# Altium PCB SG1.PcbDoc (part 1 of 3) (continued)
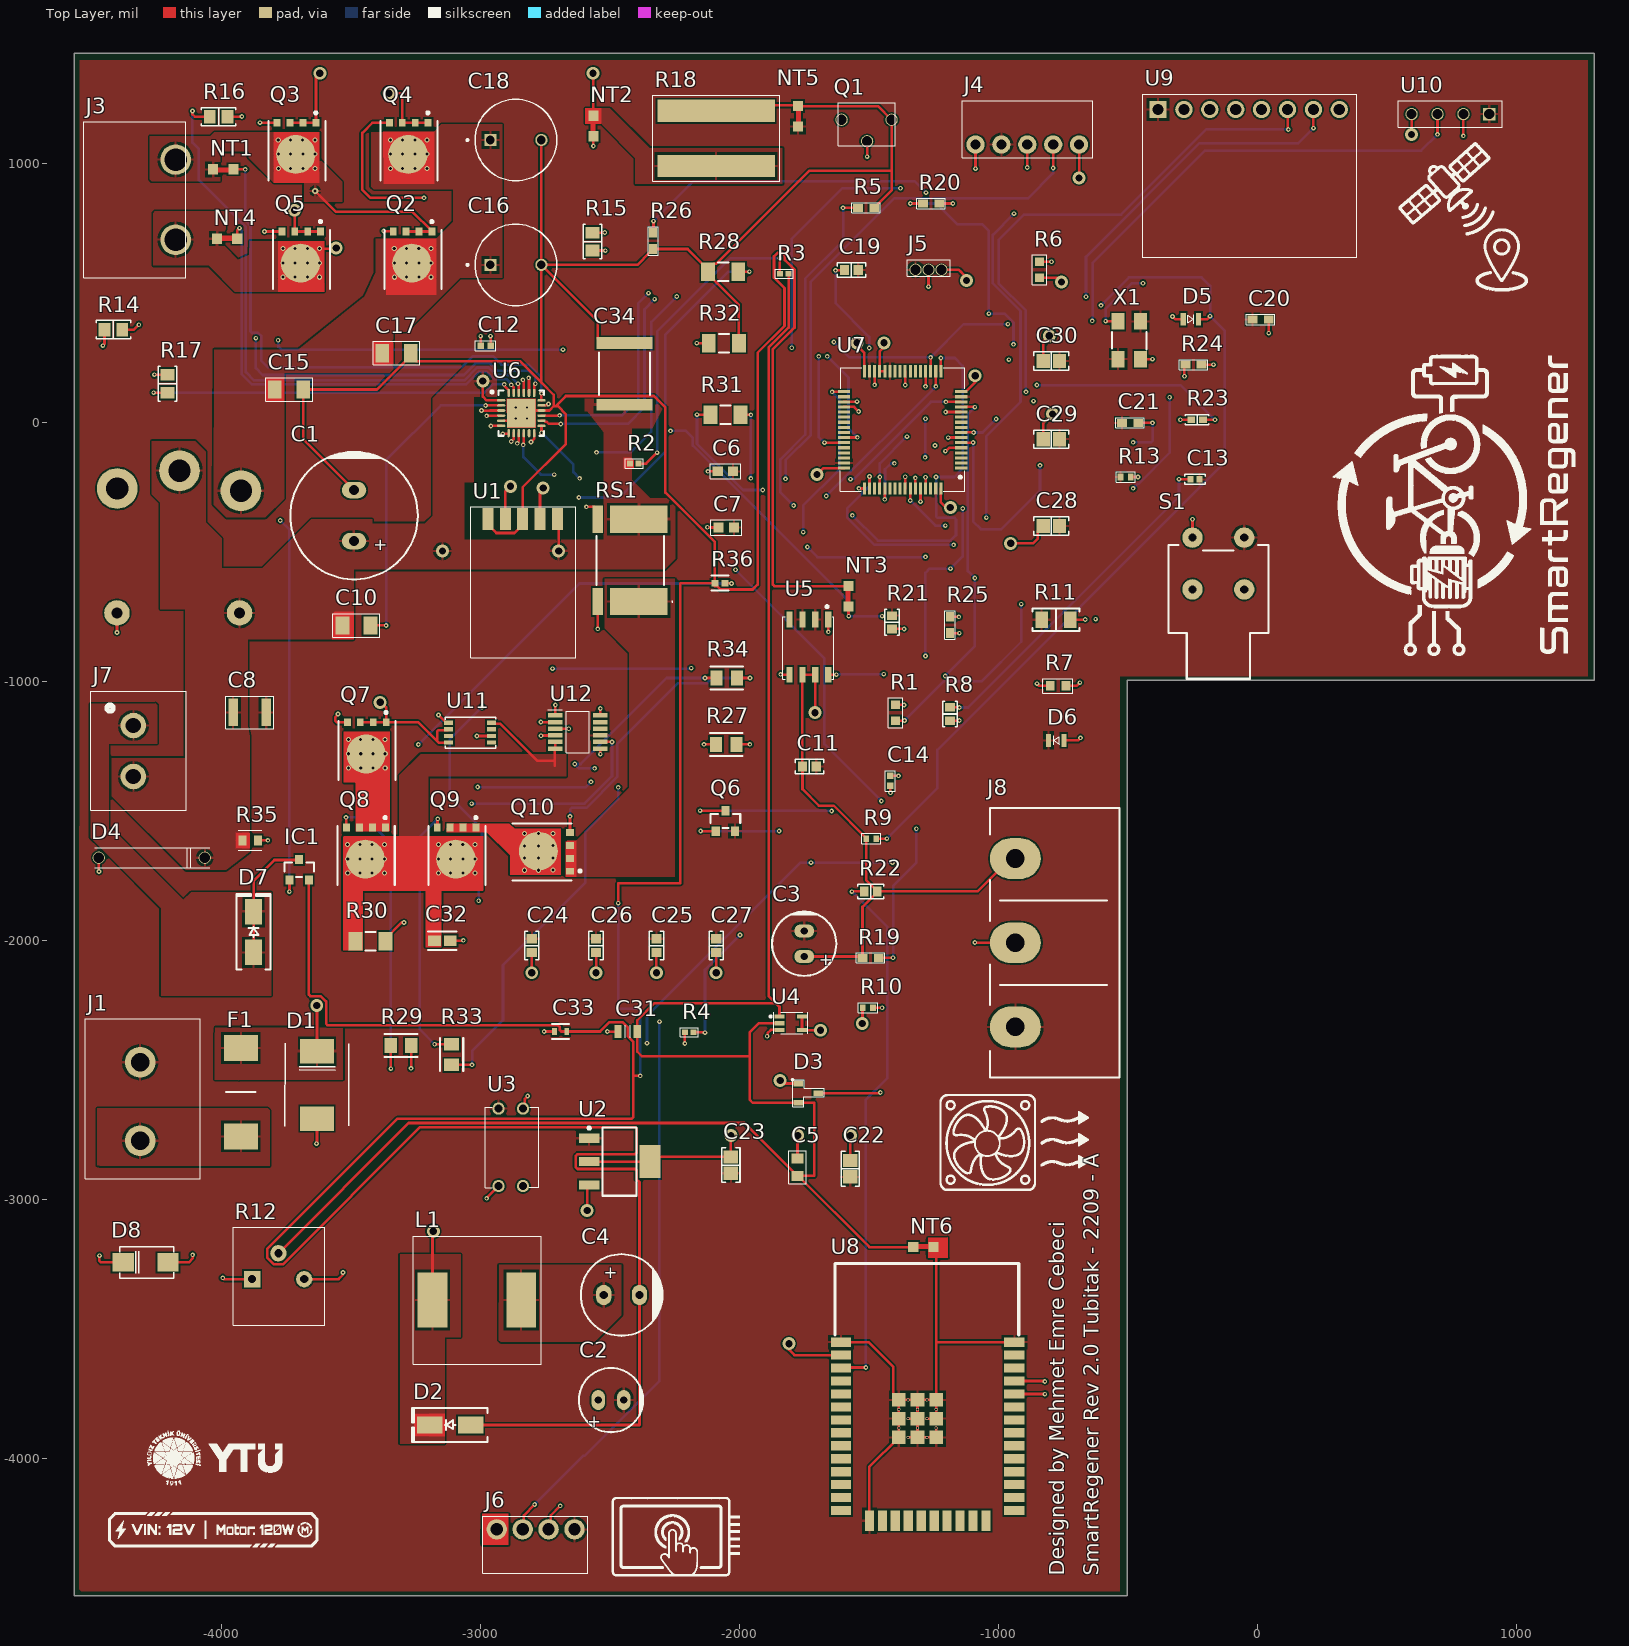
[diagram p0: Top Layer view]
## Part data (continued)
C33: "16V 100nF X7R ±10% 0402 Multilayer Ceramic Capacitors MLCC - SMD/SMT ROHS", Case Code (Metric)=1005, Case Code (Imperial)=0402, Dielectric=X7R, Dielectric Material=Ceramic, Manufacturer=Murata, Manufacturer Lifecycle Status=NRND, Max Operating Temperature=125°C, Min Operating Temperature=-55°C, Tolerance=10%, Voltage=16V, Insulation Resistance=10GΩ, Case/Package=0402, Category="Ceramic Capacitors", ComponentLink1Description=https://datasheet.octopart.com:443/GRM155R71C104KA88D-Murata-datasheet-6387203.pdf?src-supplier=Upverter, ComponentLink1URL=https://datasheet.octopart.com:443/GRM155R71C104KA88D-Murata-datasheet-6387203.pdf?src-supplier=Upverter, ComponentLink2Description=https://datasheet.octopart.com:443/GRM155R71C104KA88D-Murata-datasheet-501912.pdf?src-supplier=Farnell, ComponentLink2URL=https://datasheet.octopart.com:443/GRM155R71C104KA88D-Murata-datasheet-501912.pdf?src-supplier=Farnell, ComponentLink3Description=https://datasheet.octopart.com:443/GRM155R71C104KA88D-Murata-datasheet-62320226.pdf?src-supplier=Farnell, ComponentLink3URL=https://datasheet.octopart.com:443/GRM155R71C104KA88D-Murata-datasheet-62320226.pdf?src-supplier=Farnell, ComponentLink4Description=https://datasheet.octopart.com:443/GRM155R71C104KA88D-Murata-datasheet-514334.pdf?src-supplier=Farnell, ComponentLink4URL=https://datasheet.octopart.com:443/GRM155R71C104KA88D-Murata-datasheet-514334.pdf?src-supplier=Farnell, ComponentLink5Description=https://datasheet.octopart.com:443/GRM155R71C104KA88D-Murata-datasheet-165579666.pdf?src-supplier=TME, ComponentLink5URL=https://datasheet.octopart.com:443/GRM155R71C104KA88D-Murata-datasheet-165579666.pdf?src-supplier=TME, ComponentLink6Description=https://datasheet.octopart.com:443/GRM155R71C104KA88D-Murata-datasheet-81455578.pdf?src-supplier=TME, ComponentLink6URL=https://datasheet.octopart.com:443/GRM155R71C104KA88D-Murata-datasheet-81455578.pdf?src-supplier=TME, ComponentLink7Description=https://datasheet.octopart.com:443/GRM155R71C104KA88D-Murata-datasheet-59876780.pdf?src-supplier=TME, ComponentLink7URL=https://datasheet.octopart.com:443/GRM155R71C104KA88D-Murata-datasheet-59876780.pdf?src-supplier=TME, ComponentLink8Description=https://datasheet.octopart.com:443/GRM155R71C104KA88D-Murata-datasheet-141266224.pdf?src-supplier=Ciiva, ComponentLink8URL=https://datasheet.octopart.com:443/GRM155R71C104KA88D-Murata-datasheet-141266224.pdf?src-supplier=Ciiva, ComponentLink9Description=https://datasheet.octopart.com:443/GRM155R71C104KA88D-Murata-datasheet-140690972.pdf?src-supplier=Ciiva, ComponentLink9URL=https://datasheet.octopart.com:443/GRM155R71C104KA88D-Murata-datasheet-140690972.pdf?src-supplier=Ciiva, ComponentLink10Description=https://datasheet.octopart.com:443/GRM155R71C104KA88D-Murata-datasheet-138740890.pdf?src-supplier=Ciiva, ComponentLink10URL=https://datasheet.octopart.com:443/GRM155R71C104KA88D-Murata-datasheet-138740890.pdf?src-supplier=Ciiva, ComponentLink11Description=https://datasheet.octopart.com:443/GRM155R71C104KA88D-Murata-datasheet-120101189.pdf?src-supplier=Megastar, ComponentLink11URL=https://datasheet.octopart.com:443/GRM155R71C104KA88D-Murata-datasheet-120101189.pdf?src-supplier=Megastar, ComponentLink12Description=https://datasheet.octopart.com:443/GRM155R71C104KA88D-Murata-datasheet-96971104.pdf?src-supplier=Future+Electronics, ComponentLink12URL=https://datasheet.octopart.com:443/GRM155R71C104KA88D-Murata-datasheet-96971104.pdf?src-supplier=Future+Electronics, ComponentLink13Description=https://datasheet.octopart.com:443/GRM155R71C104KA88D-Murata-datasheet-22122223.pdf?src-supplier=Future+Electronics, ComponentLink13URL=https://datasheet.octopart.com:443/GRM155R71C104KA88D-Murata-datasheet-22122223.pdf?src-supplier=Future+Electronics, ComponentLink14Description=https://datasheet.octopart.com:443/GRM155R71C104KA88D-Murata-datasheet-14400564.pdf?src-supplier=Future+Electronics, ComponentLink14URL=https://datasheet.octopart.com:443/GRM155R71C104KA88D-Murata-datasheet-14400564.pdf?src-supplier=Future+Electronics, ComponentLink15Description=https://datasheet.octopart.com:443/GRM155R71C104KA88D-Murata-datasheet-44106293.pdf?src-supplier=Future+Electronics, ComponentLink15URL=https://datasheet.octopart.com:443/GRM155R71C104KA88D-Murata-datasheet-44106293.pdf?src-supplier=Future+Electronics, ComponentLink16Description=https://datasheet.octopart.com/GRM155R71C104KA88D-Murata-datasheet-12515295.pdf, ComponentLink16URL=https://datasheet.octopart.com/GRM155R71C104KA88D-Murata-datasheet-12515295.pdf, ComponentLink17Description=https://datasheet.octopart.com/GRM155R71C104KA88D-Murata-datasheet-12510076.pdf, ComponentLink17URL=https://datasheet.octopart.com/GRM155R71C104KA88D-Murata-datasheet-12510076.pdf, ComponentLink18Description=https://datasheet.octopart.com/GRM155R71C104KA88D-Murata-datasheet-11978611.pdf, ComponentLink18URL=https://datasheet.octopart.com/GRM155R71C104KA88D-Murata-datasheet-11978611.pdf, ComponentLink19Description=https://datasheet.octopart.com/GRM155R71C104KA88D-Murata-datasheet-10025737.pdf, ComponentLink19URL=https://datasheet.octopart.com/GRM155R71C104KA88D-Murata-datasheet-10025737.pdf, ComponentLink20Description=https://datasheet.octopart.com/GRM155R71C104KA88D-Murata-datasheet-8819587.pdf, ComponentLink20URL=https://datasheet.octopart.com/GRM155R71C104KA88D-Murata-datasheet-8819587.pdf, ComponentLink21Description=https://datasheet.octopart.com/GRM155R71C104KA88D-Murata-datasheet-12555248.pdf, ComponentLink21URL=https://datasheet.octopart.com/GRM155R71C104KA88D-Murata-datasheet-12555248.pdf, ComponentLink22Description=https://datasheet.octopart.com:443/GRM155R71C104KA88D-Murata-datasheet-11864723.pdf?src-supplier=Arrow+Electronics, ComponentLink22URL=https://datasheet.octopart.com:443/GRM155R71C104KA88D-Murata-datasheet-11864723.pdf?src-supplier=Arrow+Electronics, ComponentLink23Description=https://datasheet.octopart.com:443/GRM155R71C104KA88D-Murata-datasheet-148211.pdf?src-supplier=Garrett, ComponentLink23URL=https://datasheet.octopart.com:443/GRM155R71C104KA88D-Murata-datasheet-148211.pdf?src-supplier=Garrett, ComponentLink24Description=https://datasheet.octopart.com:443/GRM155R71C104KA88D-Murata-datasheet-118811.pdf?src-supplier=DigiKey, ComponentLink24URL=https://datasheet.octopart.com:443/GRM155R71C104KA88D-Murata-datasheet-118811.pdf?src-supplier=DigiKey, ComponentLink25Description=https://datasheet.octopart.com:443/GRM155R71C104KA88D-Murata-datasheet-38265814.pdf?src-supplier=Newark, ComponentLink25URL=https://datasheet.octopart.com:443/GRM155R71C104KA88D-Murata-datasheet-38265814.pdf?src-supplier=Newark, ComponentLink26Description=http://sigma.octopart.com:80/reach_statement/Murata-company-16.pdf?src-supplier=Compliance+Statements, ComponentLink26URL=http://sigma.octopart.com:80/reach_statement/Murata-company-16.pdf?src-supplier=Compliance+Statements, Country of Origin="Japan, Mainland China, Philippines, Singapore, Thailand", Depth=500µm, Export Control Classification Number (ECCN) Code=EAR99, Harmonized Tariff Schedule (HTS) Code=8532.24.00.20, Height=500µm, Lead Free="Lead Free", Length=1mm, Lifecycle Status=NRND, Manufacturer Part Number=GRM155R71C104KA88D, Material=Ceramic, Mounting Technology="Surface Mount", Number of Terminals=2, Packaging="Cut Tape", Pins=2, Pricing="20000=0,001, 50000=0,001, 200000=0,0009, 500000=0,0009, 1250000=0,0009 (USD)", Radiation Hardening=No, REACH SVHC=Yes, RoHS=Compliant, Schedule B="8532240020, 8532240020|8532240020|8532240020|8532240020|8532240020|8532240020|8532240020|8532240020|8532240020|8532240020|8532240020|8532240020|8532240020, 8532240020|8532240020|8532240020|8532240020|8532240020|8532240020|8532240020|8532240020|8532240020|8532240020|8532240020|8532240020|8532240020|8532240020, 8532240020|8532240020|8532240020|8532240020|8532240020|8532240020|8532240020|8532240020|8532240020|8532240020|8532240020|8532240020|8532240020|8532240020|8532240020", Stock=9240000, Supplier="Future Electronics", Supplier Part Number=GRM155R71C104KA88D, Termination=SMD/SMT, Thickness=500µm, Voltage Rating=16V, Voltage Rating (DC)=16V, Width=500µm, Introduction Date=2004-11-19
C34: "50V 22uF X7R 卤20% 2220 Multilayer Ceramic Capacitors MLCC - SMD/SMT ROHS", Case Code (Metric)=5750, Case/Package=2220, Dielectric=X7R, Dielectric Material=Ceramic, Manufacturer=TDK, Manufacturer Lifecycle Status=PRODUCTION, Max Operating Temperature=125°C, Min Operating Temperature=-55°C, Tolerance=20%, Voltage Rating=50V, Category="Ceramic Capacitors", China RoHS=Compliant, ComponentLink1Description=https://datasheet.octopart.com:443/C5750X7R1H226M250KB-TDK-datasheet-175423548.pdf?src-supplier=TME, ComponentLink1URL=https://datasheet.octopart.com:443/C5750X7R1H226M250KB-TDK-datasheet-175423548.pdf?src-supplier=TME, ComponentLink2Description=https://datasheet.octopart.com:443/C5750X7R1H226M250KB-TDK-datasheet-68298673.pdf?src-supplier=Upverter, ComponentLink2URL=https://datasheet.octopart.com:443/C5750X7R1H226M250KB-TDK-datasheet-68298673.pdf?src-supplier=Upverter, ComponentLink3Description=https://datasheet.octopart.com:443/C5750X7R1H226M250KB-TDK-datasheet-151546523.pdf?src-supplier=ODG+(Origin+Data+Global), ComponentLink3URL=https://datasheet.octopart.com:443/C5750X7R1H226M250KB-TDK-datasheet-151546523.pdf?src-supplier=ODG+(Origin+Data+Global), ComponentLink4Description=https://datasheet.octopart.com:443/C5750X7R1H226M250KB-TDK-datasheet-154546117.pdf?src-supplier=Farnell, ComponentLink4URL=https://datasheet.octopart.com:443/C5750X7R1H226M250KB-TDK-datasheet-154546117.pdf?src-supplier=Farnell, ComponentLink5Description=https://datasheet.octopart.com/C5750X7R1H226M250KB-TDK-datasheet-41194876.pdf, ComponentLink5URL=https://datasheet.octopart.com/C5750X7R1H226M250KB-TDK-datasheet-41194876.pdf, ComponentLink6Description=https://datasheet.octopart.com/C-Series-Ceramic-Chip-Capacitors-TDK-datasheet-family-84.pdf, ComponentLink6URL=https://datasheet.octopart.com/C-Series-Ceramic-Chip-Capacitors-TDK-datasheet-family-84.pdf, ComponentLink7Description=http://sigma.octopart.com:80/rohs_certificate/C-Series-Ceramic-Chip-Capacitors-TDK-family-108.pdf?src-supplier=Compliance+Statements, ComponentLink7URL=http://sigma.octopart.com:80/rohs_certificate/C-Series-Ceramic-Chip-Capacitors-TDK-family-108.pdf?src-supplier=Compliance+Statements, Export Control Classification Number (ECCN) Code=EAR99, Harmonized Tariff Schedule (HTS) Code=8532.24.00.20, Height=2.5mm, Lead Free="Lead Free", Length=5.7mm, Lifecycle Status=Production, Manufacturer Part Number=C5750X7R1H226M250KB, Material=Ceramic, Max Length=6.1mm, Max Width=5.4mm, Min Length=5.3mm, Min Width=4.6mm, Mounting Technology="Surface Mount", Number of Terminals=2, Pricing="1=3,8, 10=2,29, 50=2,23, 100=2,16, 200=2,06, 500=1,96 (EUR)", REACH SVHC=Yes, RoHS=Compliant, Stock=4, Supplier=Farnell, Supplier Part Number=C5750X7R1H226M250KB, Thickness=2.5mm, Voltage Rating (DC)=50V, Width=5mm, Introduction Date=2019-03-19
D1: "SMDJ Series 20 V 3000 W Surface Mount Uni-Directional TVS Diode - DO-214AB", Breakdown Voltage=23.35V, Clamping Voltage=32.4V, Leakage Current=2µA, Manufacturer=Littelfuse, Max Breakdown Voltage=24.5V, Max Operating Temperature=150°C, Max Power Dissipation=6.5W, Max Surge Current=92.6A, Min Breakdown Voltage=22.2V, Min Operating Temperature=-65°C, Operating Supply Voltage=20V, Peak Pulse Power=3kW, Power Line Protection=No, Test Current=1mA, Category="TVS Diodes", China RoHS=Non-Compliant, ComponentLink1Description=https://datasheet.octopart.com:443/SMDJ20A-Littelfuse-datasheet-150463583.pdf?src-supplier=Farnell, ComponentLink1URL=https://datasheet.octopart.com:443/SMDJ20A-Littelfuse-datasheet-150463583.pdf?src-supplier=Farnell, ComponentLink2Description=https://datasheet.octopart.com:443/SMDJ20A-Littelfuse-datasheet-63711006.pdf?src-supplier=element14+APAC, ComponentLink2URL=https://datasheet.octopart.com:443/SMDJ20A-Littelfuse-datasheet-63711006.pdf?src-supplier=element14+APAC, ComponentLink3Description=https://datasheet.octopart.com:443/SMDJ20A-Littelfuse-datasheet-23805045.pdf?src-supplier=Future+Electronics, ComponentLink3URL=https://datasheet.octopart.com:443/SMDJ20A-Littelfuse-datasheet-23805045.pdf?src-supplier=Future+Electronics, ComponentLink4Description=https://datasheet.octopart.com:443/SMDJ20A-Littelfuse-datasheet-14434287.pdf?src-supplier=Future+Electronics, ComponentLink4URL=https://datasheet.octopart.com:443/SMDJ20A-Littelfuse-datasheet-14434287.pdf?src-supplier=Future+Electronics, ComponentLink5Description=https://datasheet.octopart.com:443/SMDJ20A-Littelfuse-datasheet-130255154.pdf?src-supplier=Littelfuse+SCT, ComponentLink5URL=https://datasheet.octopart.com:443/SMDJ20A-Littelfuse-datasheet-130255154.pdf?src-supplier=Littelfuse+SCT, ComponentLink6Description=https://datasheet.octopart.com:443/SMDJ20A-Littelfuse-datasheet-10978972.pdf?src-supplier=TME, ComponentLink6URL=https://datasheet.octopart.com:443/SMDJ20A-Littelfuse-datasheet-10978972.pdf?src-supplier=TME, ComponentLink7Description=https://datasheet.octopart.com:443/SMDJ20A-Littelfuse-datasheet-32025630.pdf?src-supplier=Fuses+Unlimited, ComponentLink7URL=https://datasheet.octopart.com:443/SMDJ20A-Littelfuse-datasheet-32025630.pdf?src-supplier=Fuses+Unlimited, Composition=Zener, Direction=Unidirectional, Lead Free="Lead Free", Lifecycle Status=Production, Manufacturer Part Number=SMDJ20A, Max Reverse Leakage Current=2µA, Mounting Technology="Surface Mount", Number of Channels=1, Number of Elements=1, Number of Terminals=2, Number of Unidirectional Channels=1, Packaging="Cut Tape", Peak Pulse Current=92.6A, Pins=2, Polarity=Unidirectional, Power Dissipation=3kW, Pricing="1=0,585, 10=0,485, 100=0,368, 500=0,347, 1000=0,34 (EUR)", REACH SVHC=No, Reverse Breakdown Voltage=22.2V, Reverse Standoff Voltage=20V, Reverse Voltage=20V, RoHS=Compliant, Schedule B="8541100080, 8541100080|8541100080|8541100080|8541100080|8541100080", Stock=2450, Supplier=Farnell, Supplier Part Number=SMDJ20A, Termination=SMD/SMT
D2: "DIODE SCHOTTKY 60V 5A DO214AC", Capacitance @ Vr, F="250pF @ 4V, 1MHz", Current - Average Rectified (Io)=5A, Current - Reverse Leakage @ Vr="500 µA @ 60 V", Manufacturer="Comchip Technology", Operating Temperature - Junction="-55°C ~ 125°C", Package / Case="DO-214AC, SMA", Supplier Device Package="DO-214AC (SMA)", Supplier Part Number 1=641-2078-1-ND, Voltage - DC Reverse (Vr) (Max)="60 V", Voltage - Forward (Vf) (Max) @ If="700 mV @ 5 A", ComponentLink1Description=Datasheet, ComponentLink1URL=http://www.comchiptech.com/admin/files/product/ACDBA560-HF%20RevA201382.pdf, ComponentLink2Description="DigiKey Link", ComponentLink2URL=https://www.digikey.com/en/products/detail/comchip-technology/ACDBA560-HF/7100903, Diode Type=Schottky, lastupdated="3.06.2024 19:54:37", Lifecycle Status=Active, Minimum Order=1, Mounting Type="Surface Mount", Packaging=TapeAndReel, Part Number=ACDBA560-HF, Part Status=Active, PartId=1832, price=0.15, Series=-, Speed="Fast Recovery =< 500ns, > 200mA (Io)", Supplier 1=DigiKey
D3: library part MMBD7000LT1G, "Diode, Rectifier, Switching, Vr 100VDC, If 200MA, Pkg SOT-23 (TO-236AB), Config Dual", Average Rectified Current=200mA, Case/Package=SOT-23, Forward Voltage=1.1V, Manufacturer=onsemi, Manufacturer Lifecycle Status=ACTIVE, Max Forward Surge Current (Ifsm)=1.6A, Max Junction Temperature (Tj)=150°C, Max Power Dissipation=225mW, Max Repetitive Reverse Voltage (Vrrm)=100V, Max Reverse Leakage Current=3µA, Max Surge Current=500mA, Min Operating Temperature=-55°C, Power Dissipation=300mW, Supplier Part Number=9072660, Category="Rectifier Diodes", China RoHS=Compliant, ComponentLink1Description=https://datasheet.octopart.com:443/MMBD7000LT1G-onsemi-datasheet-180963513.pdf?src-supplier=IHS, ComponentLink1URL=https://datasheet.octopart.com:443/MMBD7000LT1G-onsemi-datasheet-180963513.pdf?src-supplier=IHS, ComponentLink2Description=https://datasheet.octopart.com:443/MMBD7000LT1G-ON-Semiconductor-datasheet-93401931.pdf?src-supplier=Newark, ComponentLink2URL=https://datasheet.octopart.com:443/MMBD7000LT1G-ON-Semiconductor-datasheet-93401931.pdf?src-supplier=Newark, ComponentLink3Description=https://datasheet.octopart.com:443/MMBD7000LT1G-ON-Semiconductor-datasheet-11974380.pdf?src-supplier=Newark, ComponentLink3URL=https://datasheet.octopart.com:443/MMBD7000LT1G-ON-Semiconductor-datasheet-11974380.pdf?src-supplier=Newark, ComponentLink4Description=https://datasheet.octopart.com:443/MMBD7000LT1G-ON-Semiconductor-datasheet-8327385.pdf?src-supplier=Newark, ComponentLink4URL=https://datasheet.octopart.com:443/MMBD7000LT1G-ON-Semiconductor-datasheet-8327385.pdf?src-supplier=Newark, ComponentLink5Description=https://datasheet.octopart.com:443/MMBD7000LT1G-ON-Semiconductor-datasheet-7594318.pdf?src-supplier=Newark, ComponentLink5URL=https://datasheet.octopart.com:443/MMBD7000LT1G-ON-Semiconductor-datasheet-7594318.pdf?src-supplier=Newark, ComponentLink6Description=https://sigma.octopart.com:443/138897241/technical_drawing/ON-Semiconductor-MMBD7000LT1G.pdf?src-supplier=Upverter, ComponentLink6URL=https://sigma.octopart.com:443/138897241/technical_drawing/ON-Semiconductor-MMBD7000LT1G.pdf?src-supplier=Upverter, ComponentLink7Description=https://datasheet.octopart.com:443/MMBD7000LT1G-ON-Semiconductor-datasheet-14052313.pdf?src-supplier=iiiC, ComponentLink7URL=https://datasheet.octopart.com:443/MMBD7000LT1G-ON-Semiconductor-datasheet-14052313.pdf?src-supplier=iiiC, ComponentLink8Description=https://datasheet.octopart.com:443/MMBD7000LT1G-ON-Semiconductor-datasheet-9951378.pdf?src-supplier=RS+(Formerly+Allied+Electronics), ComponentLink8URL=https://datasheet.octopart.com:443/MMBD7000LT1G-ON-Semiconductor-datasheet-9951378.pdf?src-supplier=RS+(Formerly+Allied+Electronics), ComponentLink9Description=http://sigma.octopart.com:80/15540786/rohs_certificate/ON-Semiconductor-MMBD7000LT1G.pdf?src-supplier=Compliance+Statements, ComponentLink9URL=http://sigma.octopart.com:80/15540786/rohs_certificate/ON-Semiconductor-MMBD7000LT1G.pdf?src-supplier=Compliance+Statements, ComponentLink10Description=http://sigma.octopart.com:80/15680733/materials_sheet/ON-Semiconductor-MMBD7000LT1G.csv?src-supplier=Compliance+Statements, ComponentLink10URL=http://sigma.octopart.com:80/15680733/materials_sheet/ON-Semiconductor-MMBD7000LT1G.csv?src-supplier=Compliance+Statements, ComponentLink11Description=http://sigma.octopart.com:80/150618295/rohs_statement/ON-Semiconductor-MMBD7000LT1G.pdf?src-supplier=Compliance+Statements, ComponentLink11URL=http://sigma.octopart.com:80/150618295/rohs_statement/ON-Semiconductor-MMBD7000LT1G.pdf?src-supplier=Compliance+Statements, ComponentLink12Description=http://sigma.octopart.com:80/reach_statement/ON-Semiconductor-company-79.pdf?src-supplier=Compliance+Statements, ComponentLink12URL=http://sigma.octopart.com:80/reach_statement/ON-Semiconductor-company-79.pdf?src-supplier=Compliance+Statements, ComponentLink13Description=https://octopart.com:443/opatz8j6/c1?t=fJzi0fIB4MdtCKTN66uwhwNTDQrl0R6yc-1-o3J3PffONZWqkIMU2L6fpiOR1oZSET9f3sqQd7ykmPSoW81IbVPyVBFwBUdoF7sQArq84QgRXK9HCf9McP42Xxbn8aEVplU8K_KhDjglBkkd9-zc6p6-CJ9lKtUv1E-pLWoCkW-rqVYkDrRqY25a9IANyKSZPTXd9uYNFNsED4muOrsd3TsRENCZ-qK4VhaX_vUYcK9Gw4t3xLVeKujJSZ8XqnAeUNLu-KLCkd9ZYDHLxs26vmVP-01owMmpb_Xcng6l6BxctXB2teJ_8DlD7F4xEPdo8zgBrTChEy1yUUAOwSlcpT_LSdYnlYZv39SBVKs&src-supplier=Compliance+Statements, ComponentLink13URL=https://octopart.com:443/opatz8j6/c1?t=fJzi0fIB4MdtCKTN66uwhwNTDQrl0R6yc-1-o3J3PffONZWqkIMU2L6fpiOR1oZSET9f3sqQd7ykmPSoW81IbVPyVBFwBUdoF7sQArq84QgRXK9HCf9McP42Xxbn8aEVplU8K_KhDjglBkkd9-zc6p6-CJ9lKtUv1E-pLWoCkW-rqVYkDrRqY25a9IANyKSZPTXd9uYNFNsED4muOrsd3TsRENCZ-qK4VhaX_vUYcK9Gw4t3xLVeKujJSZ8XqnAeUNLu-KLCkd9ZYDHLxs26vmVP-01owMmpb_Xcng6l6BxctXB2teJ_8DlD7F4xEPdo8zgBrTChEy1yUUAOwSlcpT_LSdYnlYZv39SBVKs&src-supplier=Compliance+Statements, ComponentLink14Description=https://octopart.com:443/opatz8j6/c1?t=N1jse5SDITeLKb_wvSGF9pa6jKWEWkAYcFkkpAAnHV3Vd79y8qUbk5HCcoRESrSHu0Hyq0nMkTrSwGQAhCOn-sO9n9VDx1ewvH57BqoORsnXpb25gl-_AjQY-smkuij4PA4eRxvb_RCv93MKZ9Ayiv5bTIDtF7Et_qmDJv7nxzNpTsdL9uERhEolYwlUZk5v09syotKZOBVVkeuv1k5jdyjjxQJtg-x9fTcqpHW1a23nLFAPrYvSi-TMoWBDYTPh0VDbIfZtVfwDxSiOW63Td902C2qC70cSuDqU3YJEUzhtCEuMvYss7Cpx9wprQ9E-CsJYJDMS9SAJ1G0zDb4qiRBmVF2PUnPvWq_yzw&src-supplier=Compliance+Statements, ComponentLink14URL=https://octopart.com:443/opatz8j6/c1?t=N1jse5SDITeLKb_wvSGF9pa6jKWEWkAYcFkkpAAnHV3Vd79y8qUbk5HCcoRESrSHu0Hyq0nMkTrSwGQAhCOn-sO9n9VDx1ewvH57BqoORsnXpb25gl-_AjQY-smkuij4PA4eRxvb_RCv93MKZ9Ayiv5bTIDtF7Et_qmDJv7nxzNpTsdL9uERhEolYwlUZk5v09syotKZOBVVkeuv1k5jdyjjxQJtg-x9fTcqpHW1a23nLFAPrYvSi-TMoWBDYTPh0VDbIfZtVfwDxSiOW63Td902C2qC70cSuDqU3YJEUzhtCEuMvYss7Cpx9wprQ9E-CsJYJDMS9SAJ1G0zDb4qiRBmVF2PUnPvWq_yzw&src-supplier=Compliance+Statements, Contact Plating=Tin, Current Rating=200mA, Element Configuration="Common Cathode", Forward Current=200mA, Halogen Free="Halogen Free", Height=1.11mm, Lead Free="Lead Free", Length=2.9mm, Lifecycle Status=Production, Manufacturer Part Number=MMBD7000LT1G, Max Operating Temperature=150°C, Max Output current=200mA, Max Reverse Voltage (DC)=100V, Number of Elements=2, Number of Terminals=3, Packaging="Tape and Reel", Peak Non-Repetitive Surge Current=500mA, Peak Reverse Current=3µA, Pins=3, Pricing="3000=0,017, 9000=0,0166, 15000=0,0164, 60000=0,0159, 90000=0,0156 (USD)", Radiation Hardening=No, REACH SVHC=Yes, Recovery Time=4ns, Reverse Recovery Time=4ns, Reverse Standoff Voltage=100V, Reverse Voltage=100V, RoHS=Compliant, Schedule B="8541100070, 8541100070|8541100070|8541100070|8541100070|8541100070", Stock=3288000, Supplier="Future Electronics", Voltage Rating (DC)=100V, Width=1.3mm
D4: "Rectifier Diode, 1 Phase, 1 Element, 1A, 1000V V(RRM), Silicon, DO-204AC", Case/Package=Axial, Forward Current=1A, Forward Voltage=1V, Manufacturer=Diotec, Manufacturer Lifecycle Status=ACTIVE, Max Forward Surge Current (Ifsm)=30A, Max Junction Temperature (Tj)=175°C, Max Repetitive Reverse Voltage (Vrrm)=1kV, Max Surge Current=27A, Min Operating Temperature=-50°C, Peak Reverse Current=5µA, Supplier Part Number=637-1N4007, Category="Rectifier Diodes", ComponentLink1Description=https://datasheet.octopart.com:443/1N4007-Diotec-datasheet-180572013.pdf?src-supplier=IHS, ComponentLink1URL=https://datasheet.octopart.com:443/1N4007-Diotec-datasheet-180572013.pdf?src-supplier=IHS, ComponentLink2Description=https://datasheet.octopart.com:443/1N4007-Diotec-datasheet-180725457.pdf?src-supplier=IHS, ComponentLink2URL=https://datasheet.octopart.com:443/1N4007-Diotec-datasheet-180725457.pdf?src-supplier=IHS, ComponentLink3Description=https://datasheet.octopart.com:443/1N4007-Diotec-datasheet-182232370.pdf?src-supplier=IHS, ComponentLink3URL=https://datasheet.octopart.com:443/1N4007-Diotec-datasheet-182232370.pdf?src-supplier=IHS, ComponentLink4Description=https://datasheet.octopart.com:443/1N4007-Diotec-datasheet-180570705.pdf?src-supplier=IHS, ComponentLink4URL=https://datasheet.octopart.com:443/1N4007-Diotec-datasheet-180570705.pdf?src-supplier=IHS, ComponentLink5Description=https://datasheet.octopart.com:443/1N4007-Diotec-datasheet-62346875.pdf?src-supplier=Burklin+Elektronik, ComponentLink5URL=https://datasheet.octopart.com:443/1N4007-Diotec-datasheet-62346875.pdf?src-supplier=Burklin+Elektronik, ComponentLink6Description=https://datasheet.octopart.com:443/1N4007-Diotec-datasheet-168809440.pdf?src-supplier=Diotec, ComponentLink6URL=https://datasheet.octopart.com:443/1N4007-Diotec-datasheet-168809440.pdf?src-supplier=Diotec, ComponentLink7Description=https://datasheet.octopart.com:443/1N4007-Diotec-datasheet-114842631.pdf?src-supplier=SOS+electronic, ComponentLink7URL=https://datasheet.octopart.com:443/1N4007-Diotec-datasheet-114842631.pdf?src-supplier=SOS+electronic, ComponentLink8Description=https://datasheet.octopart.com:443/1N4007-Galaxy-Semiconductor-datasheet-20771558.pdf?src-supplier=TME, ComponentLink8URL=https://datasheet.octopart.com:443/1N4007-Galaxy-Semiconductor-datasheet-20771558.pdf?src-supplier=TME, ComponentLink9Description=https://datasheet.octopart.com:443/1N4007-Diotec-datasheet-118605333.pdf?src-supplier=TME, ComponentLink9URL=https://datasheet.octopart.com:443/1N4007-Diotec-datasheet-118605333.pdf?src-supplier=TME, ComponentLink10Description=https://datasheet.octopart.com:443/1N4007-Diotec-datasheet-159114366.pdf?src-supplier=TME, ComponentLink10URL=https://datasheet.octopart.com:443/1N4007-Diotec-datasheet-159114366.pdf?src-supplier=TME, ComponentLink11Description=https://datasheet.octopart.com:443/1N4007-Diotec-datasheet-189099566.pdf?src-supplier=Master+Electronics, ComponentLink11URL=https://datasheet.octopart.com:443/1N4007-Diotec-datasheet-189099566.pdf?src-supplier=Master+Electronics, Element Configuration=Single, Harmonized Tariff Schedule (HTS) Code=85411000, Height=2.8mm, Lifecycle Status=Production, Manufacturer Part Number=1N4007, Max Operating Temperature=175°C, Max Output current=1A, Mounting Technology=Axial, Number of Elements=1, Number of Terminals=2, Peak Non-Repetitive Surge Current=30A, Pins=2, Polarity=Standard, Pricing="1=0,13, 10=0,084, 50=0,084, 100=0,057, 1000=0,036, 10000=0,019 (USD)", REACH SVHC=Unknown, Reverse Recovery Time=1.5µs, Reverse Standoff Voltage=1kV, Reverse Voltage=1kV, RoHS=Compliant, Stock=355273, Supplier=Mouser, Weight=300mg
D5: library part LTST-C170KRKT, "Single-color LEDs; LITEON; LTST-C170KRKT; Red; 130 °; 2 V; 0805", Case Code (Metric)=2012, Case Code (Imperial)=0805, Color=Red, Forward Current=30mA, Forward Voltage=2.4V, Lens Color="Clear, Colorless", Manufacturer=Lite-On, Max Operating Temperature=85°C, Min Operating Temperature=-55°C, Power Dissipation=75mW, Reverse Voltage=5V, Test Current=20mA, Case/Package=0805, Category=LEDs, China RoHS=Compliant, ComponentLink1Description=https://datasheet.octopart.com:443/LTST-C170KRKT-Lite-On-datasheet-26684674.pdf?src-supplier=Upverter, ComponentLink1URL=https://datasheet.octopart.com:443/LTST-C170KRKT-Lite-On-datasheet-26684674.pdf?src-supplier=Upverter, ComponentLink2Description=https://datasheet.octopart.com:443/LTST-C170KRKT-Lite-On-datasheet-180605146.pdf?src-supplier=IHS, ComponentLink2URL=https://datasheet.octopart.com:443/LTST-C170KRKT-Lite-On-datasheet-180605146.pdf?src-supplier=IHS, ComponentLink3Description=https://datasheet.octopart.com:443/LTST-C170KRKT-Lite-On-datasheet-158436.pdf?src-supplier=_legacy+Avnet, ComponentLink3URL=https://datasheet.octopart.com:443/LTST-C170KRKT-Lite-On-datasheet-158436.pdf?src-supplier=_legacy+Avnet, ComponentLink4Description=https://datasheet.octopart.com:443/LTST-C170KRKT-Lite-On-datasheet-157246157.pdf?src-supplier=ODG+(Origin+Data+Global), ComponentLink4URL=https://datasheet.octopart.com:443/LTST-C170KRKT-Lite-On-datasheet-157246157.pdf?src-supplier=ODG+(Origin+Data+Global), ComponentLink5Description=https://datasheet.octopart.com:443/LTST-C170KRKT-Lite-On-datasheet-166322636.pdf?src-supplier=TME, ComponentLink5URL=https://datasheet.octopart.com:443/LTST-C170KRKT-Lite-On-datasheet-166322636.pdf?src-supplier=TME, ComponentLink6Description=https://datasheet.octopart.com:443/LTST-C170KRKT-Lite-On-datasheet-165573808.pdf?src-supplier=TME, ComponentLink6URL=https://datasheet.octopart.com:443/LTST-C170KRKT-Lite-On-datasheet-165573808.pdf?src-supplier=TME, ComponentLink7Description=https://datasheet.octopart.com:443/LTST-C170KRKT-Lite-On-datasheet-8325281.pdf?src-supplier=Future+Electronics, ComponentLink7URL=https://datasheet.octopart.com:443/LTST-C170KRKT-Lite-On-datasheet-8325281.pdf?src-supplier=Future+Electronics, ComponentLink8Description=https://datasheet.octopart.com:443/LTST-C170KRKT-Lite-On-datasheet-94966.pdf?src-supplier=DigiKey, ComponentLink8URL=https://datasheet.octopart.com:443/LTST-C170KRKT-Lite-On-datasheet-94966.pdf?src-supplier=DigiKey, Depth=1.6mm, Designed=Emre, Dominant Wavelength=631nm, Height=1.1mm, Lead Free="Lead Free", Length=3.2mm, Lens Style=Clear, Lens Transparency=Clear, Lifecycle Status=Production, Luminous Intensity=18mcd, Manufacturer Part Number=LTST-C170KRKT, Mounting Technology="Surface Mount", Number of Circuits=1, Number of Elements=1, Number of LEDs=1, Number of Terminals=2, Packaging="Cut Tape", Peak Wavelength=639nm, Pins=2, Power Rating=75mW, Pricing="6000=0,03219, 12000=0,03146, 24000=0,03073, 48000=0,03001, 96000=0,02928 (USD)", Radiation Hardening=No, REACH SVHC=Yes, RoHS=Compliant, Schedule B="8541402000, 8541402000|8541402000|8541402000|8541402000|8541402000", Shape=Rectangular, Stock=195000, Supplier=Avnet, Supplier Part Number=LTST-C170KRKT, Terminal Pitch=2.1mm, Viewing Angle=130°, Wavelength=631nm, Width=1.25mm, Illumination Color=Red
D6: library part LTST-C171GKT, "LED Low-Power Uni-Color Green 565nm 2.1V 2-Pin Chip LED T/R", Case Code (Metric)=2012, Case Code (Imperial)=0805, Color=Green, Forward Current=30mA, Forward Voltage=2.6V, Lens Color="Clear, Colorless", Manufacturer=Lite-On, Max Operating Temperature=85°C, Min Operating Temperature=-55°C, Power Dissipation=100mW, Reverse Voltage=5V, Supplier Part Number=5010270, Test Current=10mA, Case/Package=0805, Category=LEDs, China RoHS=Compliant, ComponentLink1Description=https://datasheet.octopart.com:443/LTST-C171GKT-Lite-On-datasheet-95087.pdf?src-supplier=Upverter, ComponentLink1URL=https://datasheet.octopart.com:443/LTST-C171GKT-Lite-On-datasheet-95087.pdf?src-supplier=Upverter, ComponentLink2Description=https://sigma.octopart.com:443/141439007/technical_drawing/Lite-On-LTST-C171GKT.pdf?src-supplier=Upverter, ComponentLink2URL=https://sigma.octopart.com:443/141439007/technical_drawing/Lite-On-LTST-C171GKT.pdf?src-supplier=Upverter, ComponentLink3Description=https://datasheet.octopart.com:443/LTST-C171GKT-Lite-On-datasheet-180605156.pdf?src-supplier=IHS, ComponentLink3URL=https://datasheet.octopart.com:443/LTST-C171GKT-Lite-On-datasheet-180605156.pdf?src-supplier=IHS, ComponentLink4Description=https://datasheet.octopart.com:443/LTST-C171GKT-Lite-On-datasheet-158474.pdf?src-supplier=Arrow+Electronics, ComponentLink4URL=https://datasheet.octopart.com:443/LTST-C171GKT-Lite-On-datasheet-158474.pdf?src-supplier=Arrow+Electronics, ComponentLink5Description=https://datasheet.octopart.com:443/LTST-C171GKT-Lite-On-datasheet-7823512.pdf?src-supplier=Jameco, ComponentLink5URL=https://datasheet.octopart.com:443/LTST-C171GKT-Lite-On-datasheet-7823512.pdf?src-supplier=Jameco, ComponentLink6Description=https://datasheet.octopart.com:443/LTST-C171GKT-Lite-On-datasheet-62340966.pdf?src-supplier=TME, ComponentLink6URL=https://datasheet.octopart.com:443/LTST-C171GKT-Lite-On-datasheet-62340966.pdf?src-supplier=TME, Contact Plating=Gold, Depth=1.25mm, Designed=Emre, Dominant Wavelength=569nm, Height=800µm, Lead Free="Lead Free", Length=2mm, Lens Style=Clear, Lens Transparency=Clear, Lifecycle Status=Production, Luminous Intensity=12mcd, Manufacturer Part Number=LTST-C171GKT, Mounting Technology="Surface Mount", Number of Circuits=1, Number of Elements=1, Number of LEDs=1, Number of Terminals=2, Peak Wavelength=565nm, Pins=2, Power Rating=100mW, Pricing="3000=0,0234, 9000=0,0228, 30000=0,0223, 60000=0,0219, 120000=0,0213 (USD)", Radiation Hardening=No, REACH SVHC=Yes, RoHS=Compliant, Schedule B="8541402000, 8541402000|8541402000, 8541402000|8541402000|8541402000, 8541402000|8541402000|8541402000|8541402000", Shape=Rectangular, Stock=63000, Supplier="Future Electronics", Terminal Pitch=2.5mm, Viewing Angle=130°, Wavelength=569nm, Width=1.25mm, Illumination Color=Green